# KiCad board trifecta.kicad_pcb (continued)
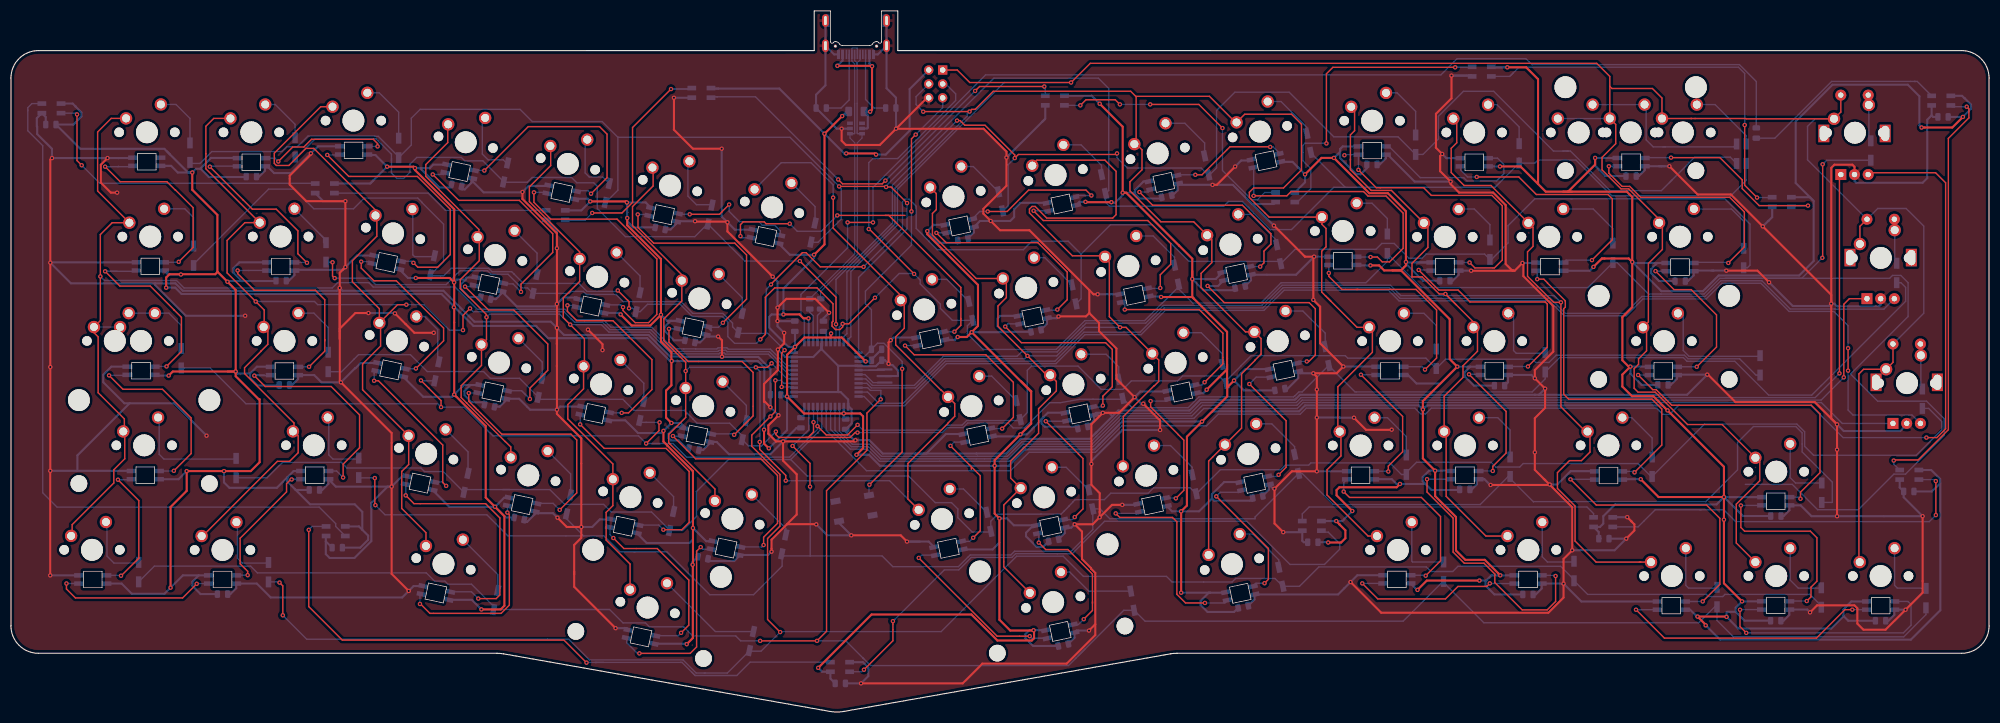
[diagram p0: board, top side]
## Routing (per net, layer and track width the routed paths; a pad name or vN(x,y) marks a point on that pad's centre or on a via; arc(x,y) is an arc through that point) (continued)
VBUS: length 25.1
  Top w0.381: v1(150.82,117.98) 157.07,117.98 v1(157.14,117.9) 157.14,109.95 v1(156.79,109.6)
  Bottom w0.381: J1.B4A9 156.67,118.38 v1(157.14,117.9) ; v1(150.82,117.98) 151.77,118.93 J1.A4B9 ; v1(156.79,109.6) 155.71,109.6 F1.2 156.38,108.94 156.38,106.69 156.23,106.54 U2.5
0col: length 487.5
  Top w0.25: K_46.1 337.43,88.68 SW3.S2 ; 306.71,108.36 307.35,108.36 ; 306.71,108.36 306.51,108.36 ; 306.71,108.36 301.32,108.36 K_16.1 ; 307.35,108.36 316.6,108.36 316.66,108.3 K_31.1 ; 307.35,108.36 307.34,108.35 ; 301.3,108.36 K_16.1 ; K_16.1 301.31,112.09 299.56,113.84 292.16,113.84 291.78,114.22 ; 291.78,114.22 291.78,116.04 289.39,118.43 196.97,118.43 v1(193.47,114.93) 174.98,114.93 172.69,117.21 J2.1 ; 291.78,114.22 K_15.1 292.86,107.28 292.86,103.76 290.37,101.27 290.37,98.98 293.83,95.52 295.23,95.52 300.78,89.97 K_30.1 ; 332.15,108.85 K_31.1 ; K_31.1 333.94,109.53 333.94,112.51 ; K_30.1 301.38,88.71 301.38,84.45 298.83,81.9 298.83,71.23 K_45.1 298.49,69.61 298.49,65.95 297.03,64.49 297.03,63.49 296.22,62.68 296.22,59.12 296.93,58.41 300.06,58.41 305.97,52.49 312.28,52.49 K_60.1 319.15,45.63 319.15,42.23 314.87,37.95 314.87,30.86 K_71.1 ; K_30.1 300.78,89.88 ; SW4.S2 343.46,63.84 K_61.1 338.1,62.58 337.24,61.72 337.24,27.53 K_72.1
  Bottom w0.25: 301.3,108.36 K_16.1 ; U1.11 152.79,68.02 153.29,68.52 153.29,80.42 161.77,88.9 161.77,95.43 181.27,114.93 v1(193.47,114.93) ; K_14.1 291.77,108.35 K_15.1 ; SW4.S2 349.08,72.81 349.08,88.71 345.86,91.93 340.68,91.93 SW3.S2 327.87,100.81 327.87,106.93 329.24,108.3 K_31.1
0row: length 10.8
  Bottom w0.25: 339.06,103.93 339.56,103.43 ; K_31.2 338.94,110.96 338.94,112.51 ; 339.06,112.51 339.06,104.76 339.54,104.29
1row: length 8.4
  Bottom w0.25: D_46.2 343.78,82.29 K_46.2 343.71,88.05 SW3.S1 ; 344.16,81.24 344.32,81.08
2row: length 8.4
  Bottom w0.25: D_61.2 348.56,59.25 K_61.2 348.46,65.21 SW4.S1
col0: length 232.3
  Top w0.25: K_1.1 18.3,108.38 15.81,105.89 15.81,95.13 K_17.1 18.47,89.34 16.31,87.18 v1(16.31,79.53) 16.31,71.46 K_32.1 15.14,69.27 15.91,68.5 15.91,58.3 20.7,53.51 20.7,51.18 20.77,51.11 20.77,46.23 18.77,44.23 18.77,41.81 11.17,34.21 11.17,32.13 ; 19.91,70.29 K_33.1
  Bottom w0.25: v1(16.31,79.53) 17.06,78.78 30.22,78.78 31.58,77.42 58.64,77.42 59.6,78.39 65.31,78.39 66.12,77.58 81.05,77.58 85.09,73.54 101.1,73.54 102.41,72.23 102.44,72.23 103.04,71.63 108.12,71.63 108.63,71.12 108.63,71.12 109.5,70.26 116.94,70.26 120.9,66.3 122.78,66.3 ; U1.41 141.62,63.22 138.59,66.24 130.89,66.24 130.65,66.49 129.04,66.49 128.83,66.29 124.96,66.29 124.95,66.3 122.78,66.3 ; 122.78,66.3 122.79,66.28 ; K_33.1 19.91,70.29 K_32.1
col1: length 333.9
  Top w0.25: 44.98,74.63 v1(44.67,74.95) ; v1(44.67,74.95) 39.44,80.17 39.44,86.1 42.7,89.35 K_18.1 35.57,99.18 35.57,101.93 35.57,106.94 37,108.38 K_2.1 ; v1(44.67,74.95) 46.21,73.4 46.21,70.4 K_34.1 46.88,69.52 46.88,67.14 45.64,65.91 45.64,65.88 42.63,62.86 42.63,61.8 51.65,52.78 51.65,51.18 52.42,50.42 52.42,47.34 50.85,45.77 48.62,45.77 34.98,32.13 ; K_3.1 56.54,110.52 48.06,102.04 48.06,100.16 48.44,99.79 50.72,99.79 53.83,102.9 55.28,102.9 66.53,91.65 K_19.1 66.77,90.42 66.77,86.86 62.31,82.4 62.31,78.55 67.23,73.64 K_35.1 ; K_64.1 75.73,32.75 71.31,37.17 71.31,43.93 72.58,45.2 K_49.1 64.17,58.84 64.17,63.53 67.46,66.82 67.46,70.82 K_35.1 ; K_35.1 70.56,74.37 v1(72.16,74.37) ; v1(83.78,73.69) 82.49,72.41 v1(82.49,69.73)
  Bottom w0.25: v1(82.49,69.73) 80.02,69.73 75.37,74.37 v1(72.16,74.37) 55.98,74.37 55.4,74.95 v1(44.67,74.95) ; v1(83.78,73.69) 84.37,73.09 100.91,73.09 102.22,71.78 102.25,71.78 102.85,71.18 107.94,71.18 109.31,69.81 116.76,69.81 120.72,65.85 122.48,65.85 122.49,65.83 129.02,65.83 129.23,66.04 130.44,66.04 130.68,65.8 130.69,65.8 130.7,65.79 138.4,65.79 141.78,62.42 U1.40
col2: length 233.7
  Top w0.25: 79.33,106.62 79.71,106.23 79.71,103.96 75.7,99.95 75.7,97.8 85.4,88.1 85.4,86.2 85.47,86.14 85.47,82.4 82,78.93 82,77.35 86.78,72.56 v1(86.78,72.08) 86.78,67.99 K_36.1 85.87,63.28 82.16,59.57 82.16,57.42 83.15,56.43 ; 83.15,56.43 90.19,49.38 90.23,49.38 91.21,48.4 K_50.1 ; 83.15,56.43 83.17,56.43 ; 98.09,103.31 98.5,102.9 98.5,99.76 94.61,95.87 94.61,93.19 103.79,84.01 K_21.1 103.79,78.61 100.8,75.62 100.8,72 v1(102.07,70.73) 104.65,68.14 104.65,63.27 K_37.1 104.5,59.01 101.62,56.13 101.62,53.52 109.85,45.29 K_51.1 109.85,37.68 108.61,36.45 108.61,31.4 112.99,27.02 K_65.1 ; 104.47,82.59 104.16,82.9 104.16,83.64
  Bottom w0.25: v1(86.78,72.08) 87.34,72.64 100.15,72.64 v1(102.07,70.73) 107.75,70.73 109.12,69.36 116.57,69.36 120.53,65.4 122.29,65.4 122.3,65.38 129.2,65.38 129.41,65.59 130.14,65.59 130.38,65.34 138.22,65.34 141.95,61.62 U1.39
col3: length 239.4
  Top w0.25: v1(136.64,49.31) 136.64,47.96 141.4,43.21 v1(141.4,42.24) ; 123.13,54.31 123.13,54.54 ; 123.13,54.54 K_38.1 v1(123.13,62.25) 123.13,63.84 119.16,67.81 119.16,71.77 122.43,75.05 K_22.1 ; 123.13,54.54 123.13,53.78 120.03,50.68 120.03,49.17 120.3,48.9 120.3,48.89 128.47,40.72 K_52.1 ; 116.85,100 117.19,99.66 117.19,96.04 113.43,92.28 113.43,88.82 122.67,79.59 122.92,79.59 123.29,79.22 ; v1(135.94,62.93) 138.07,62.93 v1(138.81,63.67) ; v1(150.05,93.92) 150.07,93.9 150.07,88.33 159.05,79.36 159.08,79.36 163.03,75.41 163.03,70.07 161.46,68.5 161.46,67.04 169.75,58.75 169.8,58.75 K_39.1 172.23,56.32 172.23,53.98 170.95,52.7 170.95,52.65 163.68,45.38 163.68,38.89 K_53.1
  Bottom w0.25: 164.85,36.86 165.6,37.61 ; U1.38 141.66,60.82 v1(138.81,63.67) ; v1(136.64,49.31) 136.7,49.26 136.7,62.17 v1(135.94,62.93) 123.82,62.93 v1(123.13,62.25) ; K_53.1 160.34,42.23 141.41,42.23 v1(141.4,42.24) ; K_7.1 140.58,100.29 146,100.29 150.05,96.25 v1(150.05,93.92)
col4: length 255.6
  Top w0.25: 188.5,62.04 v1(185.52,65.02) 180.13,70.42 180.13,74.14 181.66,75.67 181.66,78.85 180.51,79.99 ; 188.5,62.04 189.56,60.99 ; 188.5,62.04 188.89,61.65 ; K_55.1 203,44.93 203,53.95 208.64,59.59 208.69,59.59 209.46,60.37 209.46,64.26 K_41.1 203.5,70.23 v1(202.41,70.23) 200.45,72.18 200.45,82.12 199.27,83.3 193.7,83.3 185.87,91.13 185.87,91.83 186.34,92.31 186.91,92.31 189.03,90.18 201.06,90.18 201.68,90.81 201.68,98.72 199.65,100.75 187.23,100.75 186.38,99.91 K_9.1 ; K_40.1 190.78,60.37 190.78,58.63 187.56,55.4 187.54,55.4 187.54,50.89 182.44,45.8 182.44,42.71 K_54.1 181.19,37.79 181.19,26.51 K_66.1 ; K_8.1 168.87,94.66 168.87,91.73 168.16,91.02 168.16,87.13 176.15,79.15 K_24.1
  Bottom w0.25: U1.19 156.18,60.02 157.03,59.17 165.02,59.17 170.36,64.51 185,64.51 v1(185.52,65.02) 190.85,65.02 196.06,70.23 v1(202.41,70.23)
col5: length 348.3
  Top w0.25: 240.86,75.03 239.9,75.99 239.89,75.99 239.2,76.67 239.2,84.14 239.99,84.93 239.99,88.28 239.24,89.04 K_27.1 229.6,90.36 226,93.96 226,94.89 226.78,95.67 232.23,95.67 235.52,98.96 235.52,107.32 233.7,109.14 225.15,109.14 K_11.1 ; 240.86,75.03 239.99,75.89 ; 240.86,75.03 245.65,70.23 248.82,70.23 ; 205.27,112.41 205.35,112.33 205.35,103.71 206.41,102.65 206.41,99 204.21,96.8 204.21,95.15 209.86,89.5 215.85,89.5 K_26.1 219.15,86.21 219.15,82.04 217.19,80.09 217.19,77.51 225.3,69.4 K_42.1 228.14,68.18 228.14,65.35 227.02,64.23 227.02,64.19 224.58,61.75 224.58,51.83 K_56.1 218.57,45.82 K_67.1 ; 205.27,112.41 204.35,113.33 179.27,113.33 175.97,110.03 175.34,110.03 v1(174.94,109.63) 166.51,109.63 v1(166.49,109.61) ; 205.27,112.41 218.72,112.41 224.11,107.02 ; K_43.1 248.46,69.66 248.46,65.68 242.15,59.38 242.15,51.18 242.72,50.62 242.72,46.76 240.18,44.22 240.18,39.63 247.67,32.13 K_68.1
  Bottom w0.25: v1(166.49,109.61) 165.18,110.91 165.18,112.36 J2.4 ; v1(174.94,109.63) 174.54,109.23 174.54,108.84 172.76,107.06 172.75,107.06 ; U1.10 151.99,68.52 152.56,69.09 152.56,80.33 161.32,89.09 161.32,95.62 164.54,98.83 164.54,98.84 172.76,107.06
col6: length 359.5
  Top w0.25: v1(261.78,76.32) 260.65,76.32 257.53,79.44 255.68,79.44 255.68,81.92 258.59,84.82 258.59,88.57 K_28.1 251.93,95.23 248.24,95.23 244.44,99.02 244.44,100.8 ; v1(261.78,76.32) 267.87,70.23 ; v1(261.78,76.32) 263.81,74.3 ; K_58.1 261.55,57.66 264.99,61.1 264.99,63.23 267.63,65.87 267.63,69.52 K_44.1 ; 261.2,51.18 261.92,50.47 261.92,39.39 269.17,32.13 K_69.1 ; 297.42,27.37 289.29,27.37 285.44,31.22 285.44,37.61 282.23,40.82 282.23,43.7 284.42,45.9 286.61,45.9 288.17,47.46 288.17,50.41 282.86,55.72 v1(282.86,74.79) 281.53,74.79 276.77,79.55 276.77,84.02 277.77,85.02 277.77,88.46 K_29.1 270.1,96.13 265.2,96.13 262.84,98.49 262.84,102.92 263.85,103.93 263.85,107.72 K_13.1 ; 297.42,27.37 297.33,27.37 ; 297.42,27.37 297.12,27.37 ; 297.42,27.37 K_70.1 ; 244.44,100.8 244.44,105.37 245.21,106.13 245.21,109.88 244.59,110.49 ; 244.44,100.8 244.44,100.98
  Bottom w0.25: U1.18 156.02,60.82 157.21,59.62 164.84,59.62 170.17,64.96 183.63,64.96 184.42,65.75 190.92,65.75 195.6,70.43 195.62,70.43 196.2,71 207.08,71 210.3,74.23 228.29,74.23 231.98,77.92 251.73,77.92 253.63,76.03 261.49,76.03 v1(261.78,76.32) 262.07,76.03 281.63,76.03 v1(282.86,74.79)
D+: length 50.7
  Bottom w0.2: 154.42,118.5 154.97,119.05 J1.B6 ; R4.2 147.76,76.79 154.44,83.47 154.44,103.92 155.32,104.79 U2.6 ; 154.42,111.15 154.42,118.35 ; J1.A6 153.97,118.96 154.42,118.51 154.42,118.35 ; 154.42,118.35 154.42,118.48
  Bottom w0.25: 154.42,111.15 154.42,105.7 154.54,105.59 U2.6
D-: length 52.7
  Bottom w0.2: U2.1 153.12,104.79 153.99,103.92 153.99,83.66 R5.2 ; J1.A7 154.47,121.16 154.39,121.24 153.56,121.24 153.47,121.15 J1.B7 153.47,118.84 153.97,118.34 153.97,111.09
  Bottom w0.25: U2.1 153.9,105.59 153.97,105.66 153.97,111.09
ENC0A: length 232.1
  Top w0.25: 334.06,98.01 333.69,97.64 v1(333.69,61.83)
  Bottom w0.25: v1(333.69,61.83) 329.27,57.41 235.47,57.41 234.56,56.5 217.24,56.5 215.24,54.51 202.27,54.51 197.93,50.17 ; 151.19,55.92 151.19,51.26 153.55,48.9 156.66,48.9 158.88,46.68 176.41,46.68 176.42,46.69 181.04,46.69 181.06,46.68 181.83,46.68 184.52,49.37 197.12,49.37 198.24,50.48
ENC0B: length 282.4
  Top w0.25: 338.62,97.69 338.49,97.82 338.49,98.19 338.75,98.46 351.24,98.46 353.07,96.63 353.07,51.7 351.47,50.1 v1(349.56,50.1)
  Bottom w0.25: U1.28 148.79,51.42 156.15,44.06 182.44,44.06 185.81,47.43 197.92,47.43 202.74,52.25 218.19,52.25 220.33,54.39 235.29,54.39 236.38,55.48 256.22,55.48 257.27,54.43 258.17,54.43 259.21,55.48 300.31,55.48 301.44,54.35 302.69,54.35 304.37,56.03 328.44,56.03 334.36,50.1 v1(349.56,50.1)
ENC1A: length 215.8
  Top w0.25: SW3.A 335.51,75.47 334.48,74.44 v1(334.48,61.11)
  Bottom w0.25: 198.1,49.71 202.45,54.06 215.51,54.06 217.46,56.01 234.7,56.01 235.65,56.96 330.35,56.96 334.5,61.11 334.48,61.11 v1(334.48,61.11) ; 198.69,50.29 197.31,48.92 184.7,48.92 182.01,46.23 176.16,46.23 158.69,46.23 156.47,48.45 153.37,48.45 150.39,51.43 150.39,55.92
ENC1B: length 206.1
  Bottom w0.25: 159.59,56.36 158.37,56.36 156.32,58.42 U1.21 ; 159.59,56.36 159.65,56.36 ; 159.59,56.36 162.85,56.36 170.55,64.06 190.52,64.06 195.81,69.35 206.06,69.35 210.49,73.78 228.47,73.78 232.17,77.47 251.55,77.47 253.5,75.52 280.96,75.52 283.69,72.79 294.56,72.79 297.64,75.87 309.18,75.87 312.05,78.74 319.54,78.74 324.7,73.58 332.85,73.58 332.87,73.56 341.81,73.56 SW3.B ; 159.59,56.36 159.67,56.36
ENC2A: length 206.6
  Bottom w0.25: SW4.A 334.2,52.69 330.39,56.51 235.84,56.51 234.75,55.42 217.68,55.42 215.87,53.61 202.64,53.61 197.5,48.47 184.89,48.47 182.2,45.78 169.49,45.78 169.49,45.78 158.5,45.78 156.28,48 153.18,48 149.59,51.59 149.59,55.92
ENC2B: length 227.3
  Top w0.25: v1(335.27,62.33) v1(335.27,66.43)
  Bottom w0.25: U1.22 155.69,57.62 157.39,55.91 163.04,55.91 170.73,63.61 190.71,63.61 196,68.9 206.25,68.9 210.68,73.33 228.66,73.33 232.35,77.02 251.36,77.02 253.32,75.07 280.77,75.07 283.5,72.34 294.75,72.34 297.83,75.42 309.37,75.42 312.24,78.29 319.35,78.29 324.51,73.13 332.67,73.13 335.27,70.53 v1(335.27,66.43) ; SW4.B 346.93,54.23 336.17,54.23 335.27,55.13 v1(335.27,62.33)
LED: length 218
  Top w0.25: v1(152.68,89.39) v1(157.32,89.39)
  Bottom w0.25: v1(157.32,89.39) 157.32,95.78 177.87,116.33 260.97,116.33 263.37,118.73 263.37,118.73 263.92,119.28 276.46,119.28 277.01,118.73 277.04,118.73 277.58,118.2 315.44,118.2 318.52,115.12 R7.2 ; 144.79,67.32 144.79,71.7 144.17,72.32 144.17,76.24 152.68,84.76 v1(152.68,89.39)
row0: length 373.6
  Top w0.25: v1(143.97,82.33) 150.57,75.74 v1(150.57,70.81) ; v1(201.85,101.98) 201.66,101.8 183.86,101.8 v1(183.19,101.13) 183.19,101.7 177.76,107.13 174.07,107.13 173.22,107.98 v1(172.65,107.98)
  Bottom w0.25: v1(172.65,107.98) 160.87,96.19 160.87,89.28 150.57,78.97 v1(150.57,70.81) 150.57,67.7 U1.8 ; 69.44,101.01 69.44,100.64 ; 69.44,100.64 69.44,98.4 69.78,98.06 69.81,98.06 70.44,97.42 71.03,97.42 ; 69.44,100.64 69.44,101.86 66.64,104.65 55.51,104.65 52.19,101.33 D_2.1 ; 71.03,97.42 71.05,97.44 ; 71.03,97.42 71.68,97.42 72.81,98.55 72.81,100 74.06,101.25 82.19,101.25 82.81,100.63 86.12,100.63 89.82,96.93 89.82,96.73 94.25,96.73 95.11,97.59 102.31,97.59 103.27,96.62 106.36,96.62 107.01,95.96 107.01,91.91 112.13,86.79 124.8,86.79 127.14,89.13 133.94,82.33 v1(143.97,82.33) ; 303.08,97.08 306.15,100.15 306.15,100.2 307.26,101.3 313.77,101.3 D_15.1 ; 303.08,97.08 301.19,95.19 291.81,95.19 284.59,102.42 283.26,102.42 ; 303.08,97.08 302.64,96.64 ; 283.26,102.42 281.51,102.42 270.6,113.32 265.05,113.32 260.51,108.78 260.51,104.63 257.68,101.8 D_12.1 253.13,105.01 241.42,105.01 233.27,113.16 223.36,113.16 220.02,109.82 220.02,99.34 218.6,97.92 217.21,99.32 203.74,99.32 201.85,101.21 v1(201.85,101.98) ; 283.26,102.42 284.19,102.42 283.95,102.42 ; 181.08,91.52 181.98,92.42 181.98,99.92 v1(183.19,101.13) ; 89.7,96.18 89.7,95.92
row1: length 418.9
  Top w0.25: v1(159.71,95.86) 160.6,95.86 v1(163.53,92.93) ; v1(159.71,95.86) 159.6,95.96 v1(151.13,95.96) ; v1(159.71,95.86) 159.92,95.86
  Bottom w0.25: 110.76,104.93 110.77,104.93 142.17,104.93 v1(151.13,95.96) 151.53,95.56 151.53,90.01 147.29,85.76 145.87,85.76 ; 110.76,104.93 107.9,107.8 95.13,107.8 92.91,110.03 74.68,110.03 73.06,108.41 73.06,103.52 D_3.1 70.76,101.38 67.03,105.1 66.46,105.1 66.4,105.16 54.21,105.16 52.25,103.19 50.31,103.19 49.45,102.33 36.67,102.33 34.5,100.16 32.86,100.16 D_1.1 ; 110.76,104.93 110.76,95.27 108.52,93.02 ; v1(163.53,92.93) 163.53,88.19 154.69,79.35 U1.12 ; v1(159.71,95.86) 159.71,96.07 179.37,115.73 198.44,115.73 200.34,113.83 200.34,95.22 199.84,94.72 ; 275.2,101.17 275.43,100.94 ; 225.86,92.1 224.74,93.22 222.19,93.22 221.33,92.36 200.47,92.36 199.76,93.07 D_9.1 ; 225.86,92.1 226.74,91.21 226.74,91.17 229.83,88.08 233.69,88.08 241.41,95.8 243.5,95.8 ; 225.86,92.1 225.72,92.23 ; D_16.1 316.65,97.04 313.84,94.23 292.14,94.23 285.6,100.78 278.69,100.78 278.12,100.21 D_13.1 271.71,96.69 ; 243.5,95.8 237.23,102.06 ; 243.5,95.8 270.82,95.8 271.71,96.69 ; 271.71,96.69 271.06,96.03
row2: length 347.9
  Top w0.25: v1(141.18,66.07) 140.65,65.53 v1(140.65,59.35) ; v1(155.6,81.28) 147.69,81.28 145.11,83.87 144.43,83.87 138.7,78.14 v1(138.7,78.06) ; v1(58.68,82.11) 58.68,79.61 v1(59.08,79.21)
  Bottom w0.25: 92.68,77.96 92.84,77.8 ; 92.68,77.96 92.48,78.15 ; 92.68,77.96 93.21,77.43 ; 92.48,78.15 90.7,79.93 87.6,79.93 86.97,80.56 81.97,80.56 81.5,80.09 81.46,80.09 79.41,78.03 66.56,78.03 65.38,79.21 v1(59.08,79.21) ; 92.48,78.15 93.21,77.43 ; 93.21,77.43 94.27,77.43 D_20.1 101.84,76.43 102.21,76.8 104.46,76.8 105.02,76.24 110.4,76.24 111.72,74.92 122.28,74.92 124.43,72.78 129.92,72.78 131.69,71.01 131.69,70.33 D_22.1 132.89,69.13 138,69.13 ; D_18.1 58.66,82.14 v1(58.68,82.11) 58.67,82.12 ; 284.86,93.7 312.76,93.7 317.37,89.09 317.37,81.59 316.9,81.12 D_30.1 ; 284.86,93.7 284.6,93.7 ; 284.86,93.7 278.11,93.7 273.22,88.81 273.22,85.65 270.21,82.63 D_28.1 268.93,83.61 258.26,83.61 257.51,82.86 255.13,82.86 252.44,85.55 250.18,85.55 249.11,84.48 234.35,84.48 D_26.1 231.29,82.27 214.98,82.27 208.3,88.95 200.64,88.95 195.3,83.61 ; 138,69.13 137.85,69.27 137.85,77.21 v1(138.7,78.06) ; 138,69.13 138.12,69.13 v1(141.18,66.07) ; 195.3,83.61 195.3,75.45 D_24.1 ; 195.3,83.61 192.95,85.96 186.31,85.96 184.76,84.41 169.04,84.41 167.54,85.91 167.54,85.96 165.2,88.3 165.2,92.34 163.88,93.65 163.19,93.65 162.7,93.17 162.7,88.39 v1(155.6,81.28) ; 270.07,82.12 270.13,82.07 ; U1.36 142.75,59.35 v1(140.65,59.35)
row3: length 583.2
  Top w0.25: v1(330.63,100) 330.63,82.99 v1(330.57,82.93) ; 151.63,70.73 v1(151.79,70.88) ; v1(151.79,70.88) 152.92,70.88 v1(157.68,75.64) ; v1(151.79,70.88) 151.79,70.32 151.3,69.83 150.47,69.83 149.84,70.46 149.84,71.16 150.02,71.33 150.02,74.53 147.11,77.43 139.37,77.43 137.67,75.73 137.67,68.94 v1(136.76,68.04) ; v1(156.55,88.17) 156.64,88.17 v1(164.82,79.98) ; v1(112.79,73.7) 112.79,74.93 112.55,75.18 112.53,75.18 v1(110.74,76.96)
  Bottom w0.25: v1(156.55,88.17) 156.55,100.31 157.29,101.05 161.81,101.05 172.41,111.64 172.41,112.86 170.59,114.67 J2.3 ; 91.76,80.01 91.84,79.93 ; 91.84,79.93 91.39,80.38 87.8,80.38 87.17,81.01 81.78,81.01 ; 91.84,79.93 93.52,78.25 103.65,78.25 105.11,76.79 110.57,76.79 v1(110.74,76.96) 110.54,77.16 ; 292.36,81.22 292.44,81.22 ; 258.71,77.5 257.93,77.5 ; 258.71,77.5 287.8,77.5 D_29.1 293.11,82.06 298.85,76.32 301.11,76.32 308.99,76.32 311.86,79.19 342.85,79.19 343.38,79.71 344.9,79.71 346.22,78.39 346.22,72.21 335.72,61.71 340.67,56.76 349.59,56.76 352.81,53.54 352.81,50.5 345.75,43.44 343.63,43.44 337.13,36.94 329.71,36.94 325.08,41.56 316.53,41.56 ; 258.71,77.5 257.39,77.5 251.19,83.7 D_27.1 251.19,82.29 247.27,78.37 231.8,78.37 228.1,74.68 215.67,74.68 213.07,77.27 D_25.1 213.07,77.6 210.15,74.68 210.12,74.68 206.89,71.45 195.99,71.45 190.73,66.2 177.41,66.2 174.55,69.06 174.55,70.52 D_23.1 171.81,71.51 169.61,73.7 169.61,74.48 165.93,78.16 165.93,78.87 v1(164.82,79.98) 164.74,80.07 162.1,80.07 v1(157.68,75.64) ; U1.9 151.19,70.28 v1(151.79,70.88) ; D_31.1 331.36,100.74 v1(330.63,100) ; 339.41,100.28 339.56,100.13 ; 78.41,79.65 76.73,79.65 D_19.1 78.95,82.23 78.95,89.07 74.99,93.03 74.99,93.08 74.24,93.83 64.47,93.83 62.51,91.87 55.29,91.87 51.69,95.47 47.02,95.47 33.33,81.78 D_17.1 ; 78.41,79.65 78.98,79.65 80.35,81.01 81.75,81.01 ; 78.41,79.65 77.15,79.65 ; v1(112.79,73.7) 113.46,73.7 D_21.1 114.83,73.09 116.17,74.44 122.13,74.44 124.35,72.22 129.85,72.22 130.83,71.23 130.83,68.55 132.06,67.31 136.04,67.31 v1(136.76,68.04) ; 312.8,79.19 326.83,79.19 v1(330.57,82.93)
row4: length 340.2
  Top w0.25: v1(78.49,55.67) 78.49,56.87 76.24,59.12 76.24,59.13 v1(74.82,60.55) ; v1(115.92,49.02) 118.27,51.37 118.27,52.79 v1(118.36,52.89) ; v1(154.5,52.43) 152.66,50.59 148.79,50.59 v1(147.19,52.19)
  Bottom w0.25: v1(74.82,60.55) 74.9,60.47 D_35.1 ; v1(118.36,52.89) 115.92,52.89 ; 115.92,52.89 115.1,52.89 D_37.1 ; 115.92,52.89 115.9,52.87 ; D_45.1 318.45,61.51 315.48,64.49 306.06,64.49 305.39,65.15 282,65.15 280.67,63.82 278.26,63.82 277.67,64.42 261.81,64.42 D_43.1 258.22,64.61 243.96,64.61 243.5,65.06 226.33,65.06 224.42,63.15 224.42,63.12 221.79,60.5 D_41.1 220.46,61.35 213.81,61.35 212.91,60.45 204.47,60.45 202.93,58.92 198.98,58.92 194.74,63.16 186.25,63.16 185.48,62.39 185.48,54.66 D_39.1 184.04,53.22 174.43,53.22 173.59,52.39 170.71,52.39 169.79,51.47 155.46,51.47 v1(154.5,52.43) ; U1.30 v1(147.19,52.19) 147.19,51.62 142.11,46.55 123.28,46.55 120.81,49.02 v1(115.92,49.02) 114.53,50.42 87.96,50.42 82.71,55.67 v1(78.49,55.67) 77.88,56.28 42.88,56.28 36.34,62.83 D_33.1 31.73,62.83
row5: length 332
  Top w0.25: v1(146.46,52.92) 146.46,51.13 145.47,50.14 145.09,50.14 ; 145.09,50.14 140.12,50.14 139.59,50.66 v1(139.59,51.21) ; 145.09,50.14 153.19,50.14 153.18,50.14 154.06,51.02 v1(154.49,51.02)
  Bottom w0.25: D_46.1 344.91,78.38 345.77,77.53 345.77,74.98 330.4,59.61 330.38,59.61 328.63,57.86 320.78,57.86 314.59,64.04 306.56,64.04 305.87,64.04 305.21,64.7 282.62,64.7 D_44.1 280,60.83 277.61,58.44 245.28,58.44 240.46,63.26 235.65,58.44 235.04,58.44 234.32,57.72 234.26,57.72 234.07,57.53 216.81,57.53 214.84,55.56 204.6,55.56 D_40.1 202.74,57.11 197.47,57.11 ; v1(139.59,51.21) 136.97,48.59 134.6,48.59 D_38.1 133.46,50.43 131.17,52.73 125.22,52.73 124.42,53.53 124.42,53.56 122.9,55.07 113.68,55.07 111.98,56.77 111.98,56.78 111.67,57.09 96.65,57.09 92.81,60.93 87.48,60.93 86.25,62.16 75.98,62.16 72.89,65.24 63.43,65.24 62.63,64.44 60.32,62.14 D_34.1 ; 197.47,57.11 195.07,57.11 191.48,56.48 189.56,56.48 184.96,51.87 182.9,51.87 182,52.77 174.61,52.77 173.78,51.94 170.9,51.94 169.98,51.02 v1(154.49,51.02) ; 197.47,57.11 197.48,57.12 ; U1.31 146.46,55.64 v1(146.46,52.92)
row6: length 358.8
  Top w0.25: v1(142.64,48.58) 145.83,45.39 v1(145.83,41.15) ; v1(66.51,37.77) 66.4,37.88 v1(66.4,42.72)
  Bottom w0.25: 145.87,28.5 145.87,41.11 v1(145.83,41.15) ; 145.87,28.5 141.09,28.5 140.73,28.87 140.73,26.63 136.59,22.5 ; 145.87,28.5 158.98,28.5 160.94,26.54 172.91,26.54 174.72,28.35 174.73,28.35 175.05,28.67 182.47,28.67 183.16,29.36 193.48,29.36 197.43,33.31 D_54.1 198.73,37.09 200.54,35.28 227.05,35.28 227.05,35.61 D_56.1 235.65,43.56 241.32,37.88 268.13,37.88 273.23,42.99 277.84,38.38 277.88,38.42 309.3,38.42 315.09,44.21 315.09,49.21 318,52.12 325.74,52.12 326.88,50.98 326.88,48.93 326.89,48.92 326.89,47.48 332.38,41.99 332.38,38.31 332.34,38.26 D_60.1 ; 136.49,22.4 136.59,22.5 ; 136.59,22.5 135.51,21.42 127.54,21.42 119.71,29.25 113.88,29.25 ; 63.82,42.75 66.37,42.75 v1(66.4,42.72) ; D_50.1 101.4,35.27 104.51,32.16 ; 104.51,32.16 90.7,32.16 86.85,36.01 68.27,36.01 v1(66.51,37.77) ; 104.51,32.16 108.21,32.16 111.13,29.25 113.88,29.25 ; U1.32 145.59,51.52 v1(142.64,48.58) ; 113.88,29.25 113.65,29.25
row7: length 372.3
  Bottom w0.25: D_47.1 46.73,42.76 49.55,45.58 60.28,45.58 61.31,44.55 74.81,44.55 75.46,43.91 78.88,43.91 D_49.1 83.18,40.62 91.01,40.62 ; 91.01,40.62 98.34,40.62 101.05,37.91 108.17,37.91 109.57,36.52 116.9,36.52 120.19,33.23 D_51.1 122.55,33.14 125.09,35.68 125.09,40.25 130.94,46.1 142.3,46.1 ; 91.01,40.62 89.75,40.62 ; 142.3,46.1 145.3,43.09 163.81,43.09 168.67,38.23 171.65,38.23 172.8,37.08 172.8,35.49 175.43,32.86 178.69,32.86 D_53.1 178.82,34.86 180.09,36.12 187.96,36.12 187.98,36.15 191.67,36.15 192.23,36.71 192.23,36.72 193.11,37.6 193.11,37.63 193.76,38.28 193.76,38.32 194.21,38.78 199.54,38.78 200.71,39.95 207.55,39.95 208.53,40.93 215.21,40.93 D_55.1 220.72,44.25 231.75,44.25 232.58,45.08 236.83,45.08 237.23,45.48 251.65,45.48 253.76,43.37 254.28,43.37 256.5,45.59 270.16,45.59 270.13,45.57 270.97,44.73 275.34,44.73 275.98,45.37 296.95,45.37 299.31,43.01 D_59.1 309.07,52.57 325.92,52.57 327.34,51.16 327.34,48.52 328.98,46.88 347.7,46.88 352.36,51.54 352.36,53.05 349.97,55.43 D_61.1 ; 142.3,46.1 147.99,51.78 U1.29
row8: length 366.8
  Top w0.25: v1(139.5,60.56) 139.5,54.87 v1(138.6,53.96) 135.2,50.56 135.2,48.52 140.34,43.38 140.34,33.95 138.08,31.69 138.08,16.9 v1(140.37,14.6) ; v1(49.01,23.63) 49.61,23.04 v1(49.61,17.67)
  Bottom w0.25: 97.85,13.29 98.05,13.29 ; 97.85,13.29 53.98,13.29 v1(49.61,17.67) ; 97.85,13.29 101.81,13.29 105.59,9.51 122.65,9.51 125.04,7.12 126.68,7.12 ; 126.68,7.12 126.52,7.12 ; 126.68,7.12 130.73,7.12 134.82,11.21 134.92,11.11 136.89,11.11 v1(140.37,14.6) 140.46,14.68 169.76,14.68 183.52,28.45 192.03,28.45 195.72,24.77 210.88,24.77 211.91,23.74 217.65,23.74 ; 217.65,23.74 222.85,23.74 223.5,24.39 230.68,24.39 D_67.1 235.15,22.96 238.69,26.49 258.29,26.49 259.13,25.66 263.13,25.66 264.08,26.61 282.81,26.61 285.25,24.17 D_69.1 287.74,21.48 309.44,21.48 309.84,21.08 312.4,21.08 312.8,21.48 328.29,21.48 330.38,19.39 D_71.1 ; 217.65,23.74 217.66,23.73 ; U1.37 141.05,60.02 140.51,60.56 v1(139.5,60.56) ; D_63.1 48.89,23.76 v1(49.01,23.63)
row9: length 411.2
  Top w0.25: v1(136.72,12.99) v1(147.1,12.99) 148.84,14.73 148.84,40.41 156.21,47.79 156.21,54.58 v1(158.72,57.09)
  Bottom w0.25: 155.52,9.83 152.36,12.99 v1(147.1,12.99) ; 155.52,9.83 155.53,9.83 156.88,8.48 192.99,8.48 194.35,9.84 ; 155.52,9.83 155.62,9.73 ; v1(136.72,12.99) 133.17,12.99 132.27,13.9 124.42,13.9 122.75,15.56 116.5,15.56 115.79,16.27 111.7,16.27 109.26,18.72 D_64.1 ; 194.24,9.73 194.35,9.84 ; 194.35,9.84 196,11.49 ; D_72.1 349.47,17.78 345.43,13.73 314.34,13.73 311.35,16.73 D_70.1 310.95,19.22 308.02,16.3 268.8,16.3 261.45,23.65 D_68.1 261.32,23.84 254.07,16.59 206.97,16.59 D_66.1 203.09,18.58 196,11.49 ; 196,11.49 194.76,10.25 ; 88.15,18.71 88.15,19.24 84.05,23.34 79.74,23.34 79.18,23.9 77.31,23.9 75.8,25.4 44.97,25.4 43.74,26.64 26.17,26.64 D_62.1 ; v1(158.72,57.09) 158.76,57.13 158.76,58.72 156.84,58.72 156.35,59.22 U1.20
Net-(C1-Pad1): length 2.4
  Bottom w0.25: C1.1 148.79,68.98 148.79,67.32
Net-(D_1-Pad2): length 10.8
  Bottom w0.25: K_1.2 30.12,110.92 32.67,108.37 D_1.2
Net-(D_2-Pad2): length 9.4
  Bottom w0.25: D_2.2 51.85,107.29 48.22,110.92 K_2.2
Net-(D_3-Pad2): length 11.9
  Bottom w0.25: K_3.2 67.21,113.06 70.76,109.5 D_3.2
Net-(D_4-Pad2): length 11.2
  Bottom w0.25: 90.43,100.22 89.85,100.81 87.09,100.81 86.02,101.88 86.02,108.02
Net-(D_5-Pad2): length 11.4
  Bottom w0.25: 104.78,104.71 104.78,98.43 105.54,97.67 107.99,97.67 109.14,96.52
Net-(D_6-Pad2): length 12.1
  Bottom w0.25: 127.76,92.62 125.1,92.62 123.54,94.18 123.54,101.4
Net-(D_7-Pad2): length 9.1